# Altium PCB NURIP.PcbDoc (part 8 of 14) (continued)
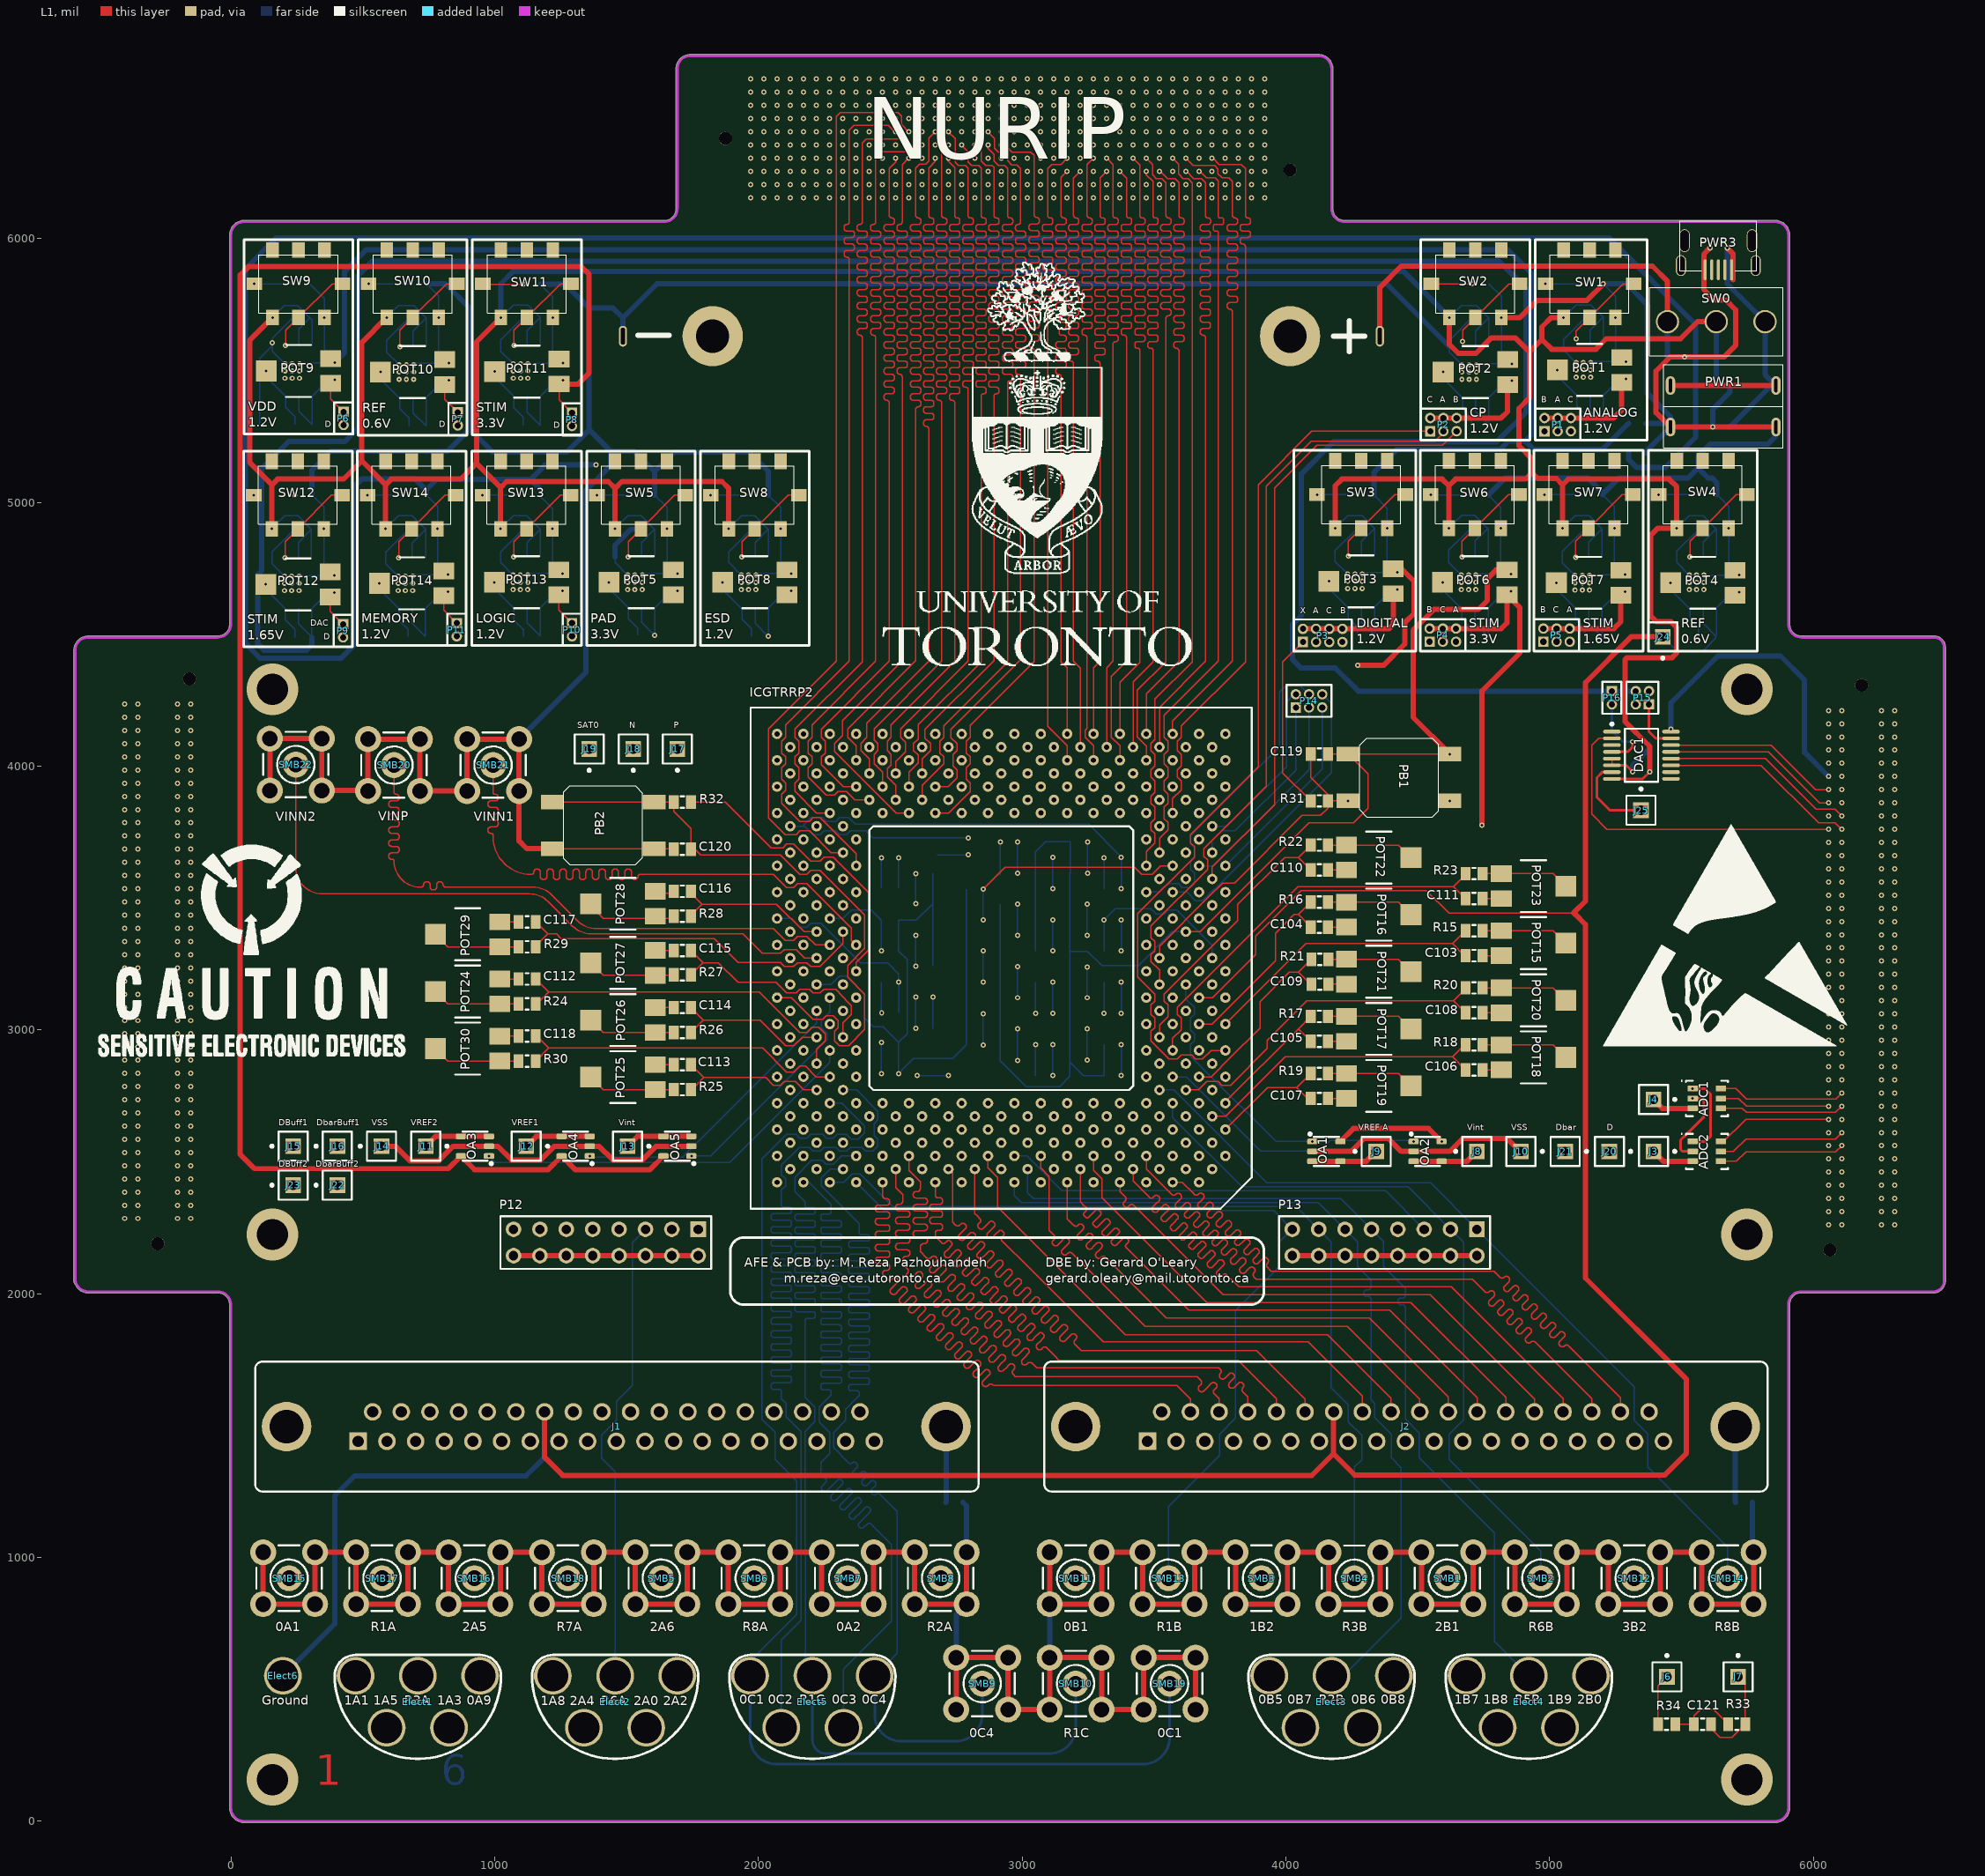
[diagram p0: L1 view]
## Nets (pads, with @x,y where several pads share a name; then routed paths per layer and width w, separated by ;. In a path a pad name is that pad's centre, name@x,y a point inside that pad or via, vN(x,y) a via of type N, cw(c..) or ccw(c..) an arc to the next point about the centre after c; other vN are vias at no path point) (continued)
EXT_PER_DIN(13): FMC1.H7 ICGTRRP2.AJ21 | length 3057.9
  L2 w5: v1(2270.24,6254.92) 2297.74,6227.42 2329.56,6227.42 2342.74,6214.24 2342.74,6200.6 2365.92,6177.42 2379.56,6177.42 2395.56,6161.42 2395.56,6090.55 2395.56,6088.06 ccw(c2405.41,6088.06) 2405.41,6078.21 cw(c2405.41,6068.33) 2415.29,6068.33 2415.29,6063.4 cw(c2405.41,6063.4) 2405.41,6053.52 2395.56,6053.52 2385.71,6053.52 ccw(c2385.71,6043.65) 2375.83,6043.65 2375.83,6038.71 ccw(c2385.71,6038.71) 2385.71,6028.84 2395.56,6028.84 2405.41,6028.84 cw(c2405.41,6018.96) 2415.29,6018.96 2415.29,6014.03 cw(c2405.41,6014.03) 2405.41,6004.15 2395.56,6004.15 2385.71,6004.15 ccw(c2385.71,5994.28) 2375.83,5994.28 2375.83,5989.34 ccw(c2385.71,5989.34) 2385.71,5979.47 2395.56,5979.47 2405.41,5979.47 cw(c2405.41,5969.59) 2415.29,5969.59 2415.29,5964.66 cw(c2405.41,5964.66) 2405.41,5954.78 2395.56,5954.78 2385.71,5954.78 ccw(c2385.71,5944.91) 2375.83,5944.91 2375.83,5939.97 ccw(c2385.71,5939.97) 2385.71,5930.1 2395.56,5930.1 2405.41,5930.1 cw(c2405.41,5920.22) 2415.29,5920.22 2415.29,5915.29 cw(c2405.41,5915.29) 2405.41,5905.41 2395.56,5905.41 2385.71,5905.41 ccw(c2385.71,5895.54) 2375.83,5895.54 2375.83,5890.6 ccw(c2385.71,5890.6) 2385.71,5880.73 2395.56,5880.73 2405.41,5880.73 cw(c2405.41,5870.85) 2415.29,5870.85 2415.29,5865.92 cw(c2405.41,5865.92) 2405.41,5856.04 ccw(c2405.41,5846.19) 2395.56,5846.19 2395.56,5750 2395.56,4362.31 2538.52,4219.35 2538.52,4099.91 2552.89,4085.54 2552.89,4058.87 2538.52,4044.5 2538.52,3999.91 2552.89,3985.54 2552.89,3958.87 2538.52,3944.5 2538.52,3908.87 2607.38,3840.02 2643.01,3840.02 2657.38,3854.39 2684.04,3854.39 2716.23,3822.2 ICGTRRP2.AJ21@2770.71,3822.2
EXT_PER_DIN(14): FMC1.H11 ICGTRRP2.AM22 | length 3067.7
  L2 w5: v1(2470.24,6254.92) 2488.42,6254.92 2510.92,6232.42 2535.3,6232.42 2545.28,6222.44 2545.28,6090.55 2545.28,6086.83 ccw(c2553.89,6086.83) 2553.89,6078.21 cw(c2553.89,6067.1) 2565,6067.1 2565,6064.63 cw(c2553.89,6064.63) 2553.89,6053.52 2545.28,6053.52 2536.82,6053.52 ccw(c2536.82,6042.42) 2525.71,6042.42 2525.71,6039.95 ccw(c2536.82,6039.95) 2536.82,6028.84 2545.28,6028.84 2553.74,6028.84 cw(c2553.74,6017.73) 2564.84,6017.73 2564.84,6015.26 cw(c2553.74,6015.26) 2553.74,6004.15 2545.28,6004.15 2536.82,6004.15 ccw(c2536.82,5993.05) 2525.71,5993.05 2525.71,5990.58 ccw(c2536.82,5990.58) 2536.82,5979.47 2545.28,5979.47 2553.74,5979.47 cw(c2553.74,5968.36) 2564.84,5968.36 2564.84,5965.89 cw(c2553.74,5965.89) 2553.74,5954.78 2545.28,5954.78 2536.82,5954.78 ccw(c2536.82,5943.68) 2525.71,5943.68 2525.71,5941.21 ccw(c2536.82,5941.21) 2536.82,5930.1 2545.28,5930.1 2553.74,5930.1 cw(c2553.74,5918.99) 2564.84,5918.99 2564.84,5916.52 cw(c2553.74,5916.52) 2553.74,5905.41 2545.28,5905.41 2536.82,5905.41 ccw(c2536.82,5894.31) 2525.71,5894.31 2525.71,5891.84 ccw(c2536.82,5891.84) 2536.82,5880.73 2545.28,5880.73 2553.74,5880.73 cw(c2553.74,5869.62) 2564.84,5869.62 2564.84,5867.15 cw(c2553.74,5867.15) 2553.74,5856.04 2545.28,5856.04 2536.82,5856.04 ccw(c2536.82,5844.94) 2525.71,5844.94 2525.71,5842.47 ccw(c2536.82,5842.47) 2536.82,5831.36 2545.28,5831.36 2553.74,5831.36 cw(c2553.74,5820.25) 2564.84,5820.25 2564.84,5817.78 cw(c2553.74,5817.78) 2553.74,5806.67 2545.28,5806.67 2536.82,5806.67 ccw(c2536.82,5795.57) 2525.71,5795.57 2525.71,5793.1 ccw(c2536.82,5793.1) 2536.82,5781.99 2545.28,5781.99 2553.74,5781.99 cw(c2553.74,5770.88) 2564.84,5770.88 2564.84,5768.41 cw(c2553.74,5768.41) 2553.74,5757.3 2545.28,5757.3 2536.82,5757.3 ccw(c2536.82,5746.2) 2525.71,5746.2 2525.71,5743.73 ccw(c2536.82,5743.73) 2536.82,5732.62 2545.28,5732.62 2553.74,5732.62 cw(c2553.74,5721.51) 2564.84,5721.51 2564.84,5719.04 cw(c2553.74,5719.04) 2553.74,5707.93 2545.28,5707.93 2536.82,5707.93 ccw(c2536.82,5696.83) 2525.71,5696.83 2525.71,5694.36 ccw(c2536.82,5694.36) 2536.82,5683.25 2545.28,5683.25 2553.74,5683.25 cw(c2553.74,5672.14) 2564.84,5672.14 2564.84,5669.67 cw(c2553.74,5669.67) 2553.74,5658.56 2545.28,5658.56 2536.82,5658.56 ccw(c2536.82,5647.46) 2525.71,5647.46 2525.71,5644.99 ccw(c2536.82,5644.99) 2536.82,5633.88 2545.28,5633.88 2553.74,5633.88 cw(c2553.74,5622.77) 2564.84,5622.77 2564.84,5620.3 cw(c2553.74,5620.3) 2553.74,5609.19 2545.28,5609.19 2536.82,5609.19 ccw(c2536.82,5598.09) 2525.71,5598.09 2525.71,5595.62 ccw(c2536.82,5595.62) 2536.82,5584.51 2545.28,5584.51 2553.74,5584.51 cw(c2553.74,5573.4) 2564.84,5573.4 2564.84,5570.93 cw(c2553.74,5570.93) 2553.74,5559.82 2545.28,5559.82 2536.82,5559.82 ccw(c2536.82,5548.72) 2525.71,5548.72 2525.71,5546.25 ccw(c2536.82,5546.25) 2536.82,5535.14 2536.66,5535.14 cw(c2536.66,5526.52) 2545.28,5526.52 2545.28,5429.13 2545.28,4379.92 2702.89,4222.3 2702.89,4108.87 2688.52,4094.5 2688.52,4058.87 2720.71,4026.69 ICGTRRP2.AM22@2720.71,3972.2
EXT_PER_DIN(15): FMC1.H8 ICGTRRP2.AK22 | length 3067.5
  L2 w5: v1(2320.24,6254.92) 2323.27,6254.92 2350.77,6227.42 2379.56,6227.42 2392.74,6214.24 2392.74,6200.6 2415.92,6177.42 2429.56,6177.42 2446.85,6160.13 2446.85,6090.55 2446.85,6088.06 ccw(c2456.7,6088.06) 2456.7,6078.21 cw(c2456.7,6068.33) 2466.58,6068.33 2466.58,6063.4 cw(c2456.7,6063.4) 2456.7,6053.52 2446.85,6053.52 2437.05,6053.52 ccw(c2437.05,6043.65) 2427.17,6043.65 2427.17,6038.71 ccw(c2437.05,6038.71) 2437.05,6028.84 2446.85,6028.84 2456.65,6028.84 cw(c2456.65,6018.96) 2466.53,6018.96 2466.53,6014.03 cw(c2456.65,6014.03) 2456.65,6004.15 2446.85,6004.15 2437.05,6004.15 ccw(c2437.05,5994.28) 2427.17,5994.28 2427.17,5989.34 ccw(c2437.05,5989.34) 2437.05,5979.47 2446.85,5979.47 2456.65,5979.47 cw(c2456.65,5969.59) 2466.53,5969.59 2466.53,5964.66 cw(c2456.65,5964.66) 2456.65,5954.78 2446.85,5954.78 2437.05,5954.78 ccw(c2437.05,5944.91) 2427.17,5944.91 2427.17,5939.97 ccw(c2437.05,5939.97) 2437.05,5930.1 2446.85,5930.1 2456.65,5930.1 cw(c2456.65,5920.22) 2466.53,5920.22 2466.53,5915.29 cw(c2456.65,5915.29) 2456.65,5905.41 2446.85,5905.41 2437.05,5905.41 ccw(c2437.05,5895.54) 2427.17,5895.54 2427.17,5890.6 ccw(c2437.05,5890.6) 2437.05,5880.73 2446.85,5880.73 2456.65,5880.73 cw(c2456.65,5870.85) 2466.53,5870.85 2466.53,5865.92 cw(c2456.65,5865.92) 2456.65,5856.04 2446.85,5856.04 2437.05,5856.04 ccw(c2437.05,5846.17) 2427.17,5846.17 2427.17,5841.23 ccw(c2437.05,5841.23) 2437.05,5831.36 2446.85,5831.36 2456.65,5831.36 cw(c2456.65,5821.48) 2466.53,5821.48 2466.53,5816.55 cw(c2456.65,5816.55) 2456.65,5806.67 2446.85,5806.67 2437.05,5806.67 ccw(c2437.05,5796.8) 2427.17,5796.8 2427.17,5791.86 ccw(c2437.05,5791.86) 2437.05,5781.99 2446.85,5781.99 2456.65,5781.99 cw(c2456.65,5772.11) 2466.53,5772.11 2466.53,5767.18 cw(c2456.65,5767.18) 2456.65,5757.3 2446.85,5757.3 2437.05,5757.3 ccw(c2437.05,5747.43) 2427.17,5747.43 2427.17,5742.49 ccw(c2437.05,5742.49) 2437.05,5732.62 ; 2437,5732.62 cw(c2437,5722.77) 2446.85,5722.77 2446.85,5557.09 2446.85,4395.67 2620.08,4222.44 2620.08,4117.09 2588.52,4085.54 2588.52,4058.87 2602.89,4044.5 2602.89,3999.91 2588.52,3985.54 2588.52,3952.81 2669.13,3872.2 ICGTRRP2.AK22@2720.71,3872.2
EXT_PER_DOUT(0): FMC1.G33 ICGTRRP2.AE7 | length 2845.5
  L1 w5: ICGTRRP2.AE7@3470.71,3622.2 3470.71,3676.69 3502.89,3708.87 3502.89,3744.5 3488.52,3758.87 3488.52,3785.54 3502.89,3799.91 3502.89,3844.5 3488.52,3858.87 3488.52,3885.54 3502.89,3899.91 3502.89,3944.5 3488.52,3958.87 3488.52,3985.54 3502.89,3999.91 3502.89,4044.5 3488.52,4058.87 3488.52,4085.54 3503.94,4100.95 3503.94,4253.94 3645.67,4395.67 3645.67,6211.31 3629.56,6227.42 3610.27,6227.42 3592.52,6245.17 3592.74,6245.38 3592.74,6282.42 v1(3570.24,6304.92)
EXT_PER_DOUT(1): FMC1.H35 ICGTRRP2.AF6 | length 2836.9
  L1 w5: ICGTRRP2.AF6@3520.71,3672.2 3520.71,3726.69 3552.89,3758.87 3552.89,3786.6 3538.52,3800.97 3538.52,3844.5 3552.89,3858.87 3552.89,3894.5 3538.52,3908.87 3538.52,3944.5 3552.89,3958.87 3552.89,3994.5 3538.52,4008.87 3538.52,4044.5 3552.89,4058.87 3552.89,4094.5 3538.52,4108.87 3538.52,4192.07 3744.09,4397.64 3744.09,5980.31 3744.09,6022.67 ccw(c3737.92,6022.67) 3737.92,6028.84 3731.31,6028.84 cw(c3731.31,6035.01) 3725.14,6035.01 3725.14,6047.35 cw(c3731.31,6047.35) 3731.31,6053.52 3744.09,6053.52 3757.65,6053.52 ccw(c3757.65,6059.69) 3763.82,6059.69 3763.82,6072.04 ccw(c3757.65,6072.04) 3757.65,6078.21 3750.27,6078.21 cw(c3750.27,6084.38) 3744.09,6084.38 3744.09,6090.55 3744.09,6218.5 3732.28,6230.31 3697.88,6230.31 3673.27,6254.92 v1(3670.24,6254.92)
EXT_PER_DOUT(2): FMC1.G36 ICGTRRP2.AJ5 | length 2839.5
  L1 w5: ICGTRRP2.AJ5@3570.71,3822.2 3570.71,3876.69 3602.89,3908.87 3602.89,3944.5 3588.52,3958.87 3588.52,3985.54 3602.89,3999.91 3602.89,4044.5 3588.52,4058.87 3588.52,4094.5 3602.89,4108.87 3602.89,4152.11 3846.46,4395.67 3846.46,5716.54 3846.46,5969.62 ccw(c3836.6,5969.62) 3836.6,5979.47 cw(c3836.6,5989.34) 3826.73,5989.34 3826.73,5994.28 cw(c3836.6,5994.28) 3836.6,6004.15 3846.46,6004.15 3856.31,6004.15 ccw(c3856.31,6014.03) 3866.18,6014.03 3866.18,6018.96 ccw(c3856.31,6018.96) 3856.31,6028.84 3846.46,6028.84 3836.6,6028.84 cw(c3836.6,6038.71) 3826.73,6038.71 3826.73,6043.65 cw(c3836.6,6043.65) 3836.6,6053.52 3846.46,6053.52 3856.31,6053.52 ccw(c3856.31,6063.4) 3866.18,6063.4 3866.18,6068.33 ccw(c3856.31,6068.33) 3856.31,6078.21 cw(c3856.31,6088.06) 3846.46,6088.06 3846.46,6090.55 3846.46,6265.75 3830.71,6281.5 3746.69,6281.5 3723.27,6304.92 v1(3720.24,6304.92)
EXT_PER_DOUT(3): FMC1.G31 ICGTRRP2.AN7 | length 2841
  L1 w5: v1(3470.24,6304.92) 3494.09,6281.06 3494.09,6242.13 3508.8,6227.42 3529.56,6227.42 3545.28,6211.7 3545.28,6090.55 3545.28,6088.06 ccw(c3555.13,6088.06) 3555.13,6078.21 cw(c3555.13,6068.33) 3565,6068.33 3565,6063.4 cw(c3555.13,6063.4) 3555.13,6053.52 3545.28,6053.52 3535.42,6053.52 ccw(c3535.42,6043.65) 3525.55,6043.65 3525.55,6038.71 ccw(c3535.42,6038.71) 3535.42,6028.84 3545.28,6028.84 3555.13,6028.84 cw(c3555.13,6018.96) 3565,6018.96 3565,6014.03 cw(c3555.13,6014.03) 3555.13,6004.15 3545.28,6004.15 3535.42,6004.15 ccw(c3535.42,5994.28) 3525.55,5994.28 3525.55,5989.34 ccw(c3535.42,5989.34) 3535.42,5979.47 3545.28,5979.47 3555.13,5979.47 cw(c3555.13,5969.59) 3565,5969.59 3565,5964.66 cw(c3555.13,5964.66) 3555.13,5954.78 3545.28,5954.78 3535.42,5954.78 ccw(c3535.42,5944.91) 3525.55,5944.91 3525.55,5939.97 ccw(c3535.42,5939.97) 3535.42,5930.1 3545.28,5930.1 3555.13,5930.1 cw(c3555.13,5920.22) 3565,5920.22 3565,5915.29 cw(c3555.13,5915.29) 3555.13,5905.41 3545.28,5905.41 3535.42,5905.41 ccw(c3535.42,5895.54) 3525.55,5895.54 3525.55,5890.6 ccw(c3535.42,5890.6) 3535.42,5880.73 3545.28,5880.73 3555.13,5880.73 cw(c3555.13,5870.85) 3565,5870.85 3565,5865.92 cw(c3555.13,5865.92) 3555.13,5856.04 3545.28,5856.04 3535.42,5856.04 ccw(c3535.42,5846.17) 3525.55,5846.17 3525.55,5841.23 ccw(c3535.42,5841.23) 3535.42,5831.36 3545.28,5831.36 3555.13,5831.36 cw(c3555.13,5821.48) 3565,5821.48 3565,5816.55 cw(c3555.13,5816.55) 3555.13,5806.67 3545.28,5806.67 3535.42,5806.67 ccw(c3535.42,5796.8) 3525.55,5796.8 3525.55,5791.86 ccw(c3535.42,5791.86) 3535.42,5781.99 3545.28,5781.99 3555.13,5781.99 cw(c3555.13,5772.11) 3565,5772.11 3565,5767.18 cw(c3555.13,5767.18) 3555.13,5757.3 3545.28,5757.3 3535.42,5757.3 ccw(c3535.42,5747.43) 3525.55,5747.43 3525.55,5742.49 ccw(c3535.42,5742.49) 3535.42,5732.62 3545.28,5732.62 3555.13,5732.62 cw(c3555.13,5722.74) 3565,5722.74 3565,5717.81 cw(c3555.13,5717.81) 3555.13,5707.93 ccw(c3555.13,5698.08) 3545.28,5698.08 3545.28,5531.5 3545.28,4395.67 3437.01,4287.4 3437.01,4110.24 3470.71,4076.54 ICGTRRP2.AN7@3470.71,4022.2
EXT_PER_DOUT(4): FMC1.H34 ICGTRRP2.AP6 | length 2846
  L1 w5: ICGTRRP2.AP6@3520.71,4072.2 3520.71,4223.46 3694.88,4397.64 3694.88,5470.47 3694.88,5624.03 ccw(c3685.03,5624.03) 3685.03,5633.88 3685.25,5633.88 cw(c3685.27,5643.75) 3675.39,5643.75 3675.39,5648.69 cw(c3685.27,5648.69) 3685.27,5658.56 3694.88,5658.56 3704.5,5658.56 ccw(c3704.5,5668.44) 3714.37,5668.44 3714.37,5673.37 ccw(c3704.5,5673.37) 3704.5,5683.25 3694.88,5683.25 3685.27,5683.25 cw(c3685.27,5693.12) 3675.39,5693.12 3675.39,5698.06 cw(c3685.27,5698.06) 3685.27,5707.93 3694.88,5707.93 3704.5,5707.93 ccw(c3704.5,5717.81) 3714.37,5717.81 3714.37,5722.74 ccw(c3704.5,5722.74) 3704.5,5732.62 3694.88,5732.62 3685.27,5732.62 cw(c3685.27,5742.49) 3675.39,5742.49 3675.39,5747.43 cw(c3685.27,5747.43) 3685.27,5757.3 3694.88,5757.3 3704.5,5757.3 ccw(c3704.5,5767.18) 3714.37,5767.18 3714.37,5772.11 ccw(c3704.5,5772.11) 3704.5,5781.99 3694.88,5781.99 3685.27,5781.99 cw(c3685.27,5791.86) 3675.39,5791.86 3675.39,5796.8 cw(c3685.27,5796.8) 3685.27,5806.67 3694.88,5806.67 3704.5,5806.67 ccw(c3704.5,5816.55) 3714.37,5816.55 3714.37,5821.48 ccw(c3704.5,5821.48) 3704.5,5831.36 3694.88,5831.36 3685.27,5831.36 cw(c3685.27,5841.23) 3675.39,5841.23 3675.39,5846.17 cw(c3685.27,5846.17) 3685.27,5856.04 3694.88,5856.04 3704.5,5856.04 ccw(c3704.5,5865.92) 3714.37,5865.92 3714.37,5870.85 ccw(c3704.5,5870.85) 3704.5,5880.73 3694.88,5880.73 3685.27,5880.73 cw(c3685.27,5890.6) 3675.39,5890.6 3675.39,5895.54 cw(c3685.27,5895.54) 3685.27,5905.41 3694.88,5905.41 3704.5,5905.41 ccw(c3704.5,5915.29) 3714.37,5915.29 3714.37,5920.22 ccw(c3704.5,5920.22) 3704.5,5930.1 3694.88,5930.1 3685.27,5930.1 cw(c3685.27,5939.97) 3675.39,5939.97 3675.39,5944.91 cw(c3685.27,5944.91) 3685.27,5954.78 3694.88,5954.78 3704.5,5954.78 ccw(c3704.5,5964.66) 3714.37,5964.66 3714.37,5969.59 ccw(c3704.5,5969.59) 3704.5,5979.47 3694.88,5979.47 3685.27,5979.47 cw(c3685.27,5989.34) 3675.39,5989.34 3675.39,5994.28 cw(c3685.27,5994.28) 3685.27,6004.15 3694.88,6004.15 3704.5,6004.15 ccw(c3704.5,6014.03) 3714.37,6014.03 3714.37,6018.96 ccw(c3704.5,6018.96) 3704.5,6028.84 3694.88,6028.84 3685.27,6028.84 cw(c3685.27,6038.71) 3675.39,6038.71 3675.39,6043.65 cw(c3685.27,6043.65) 3685.27,6053.52 3694.88,6053.52 3704.73,6053.52 ccw(c3704.73,6063.4) 3714.61,6063.4 3714.61,6068.33 ccw(c3704.73,6068.33) 3704.73,6078.21 cw(c3704.73,6088.06) 3694.88,6088.06 3694.88,6090.55 3694.88,6212.1 3679.56,6227.42 3650.77,6227.42 3623.27,6254.92 v1(3620.24,6254.92)
EXT_PER_DOUT(5): FMC1.G34 ICGTRRP2.AR5 | length 2838
  L1 w5: ICGTRRP2.AR5@3570.71,4122.2 3570.71,4171.1 3797.24,4397.64 3797.24,5500 3797.24,5722.77 ccw(c3787.39,5722.77) 3787.39,5732.62 cw(c3787.39,5742.49) 3777.52,5742.49 3777.52,5747.43 cw(c3787.39,5747.43) 3787.39,5757.3 3797.24,5757.3 3807.1,5757.3 ccw(c3807.1,5767.18) 3816.97,5767.18 3816.97,5772.11 ccw(c3807.1,5772.11) 3807.1,5781.99 3797.24,5781.99 3787.39,5781.99 cw(c3787.39,5791.86) 3777.52,5791.86 3777.52,5796.8 cw(c3787.39,5796.8) 3787.39,5806.67 3797.24,5806.67 3807.1,5806.67 ccw(c3807.1,5816.55) 3816.97,5816.55 3816.97,5821.48 ccw(c3807.1,5821.48) 3807.1,5831.36 3797.24,5831.36 3787.39,5831.36 cw(c3787.39,5841.23) 3777.52,5841.23 3777.52,5846.17 cw(c3787.39,5846.17) 3787.39,5856.04 3797.24,5856.04 3807.1,5856.04 ccw(c3807.1,5865.92) 3816.97,5865.92 3816.97,5870.85 ccw(c3807.1,5870.85) 3807.1,5880.73 3797.24,5880.73 3787.39,5880.73 cw(c3787.39,5890.6) 3777.52,5890.6 3777.52,5895.54 cw(c3787.39,5895.54) 3787.39,5905.41 3797.24,5905.41 3807.1,5905.41 ccw(c3807.1,5915.29) 3816.97,5915.29 3816.97,5920.22 ccw(c3807.1,5920.22) 3807.1,5930.1 3797.24,5930.1 3787.39,5930.1 cw(c3787.39,5939.97) 3777.52,5939.97 3777.52,5944.91 cw(c3787.39,5944.91) 3787.39,5954.78 3797.24,5954.78 3807.1,5954.78 ccw(c3807.1,5964.66) 3816.97,5964.66 3816.97,5969.59 ccw(c3807.1,5969.59) 3807.1,5979.47 3797.24,5979.47 3787.39,5979.47 cw(c3787.39,5989.34) 3777.52,5989.34 3777.52,5994.28 cw(c3787.39,5994.28) 3787.39,6004.15 3797.24,6004.15 3807.1,6004.15 ccw(c3807.1,6014.03) 3816.97,6014.03 3816.97,6018.96 ccw(c3807.1,6018.96) 3807.1,6028.84 3797.24,6028.84 3787.39,6028.84 cw(c3787.39,6038.71) 3777.52,6038.71 3777.52,6043.65 cw(c3787.39,6043.65) 3787.39,6053.52 3797.24,6053.52 3807.1,6053.52 ccw(c3807.1,6063.4) 3816.97,6063.4 3816.97,6068.33 ccw(c3807.1,6068.33) 3807.1,6078.21 cw(c3807.1,6088.06) 3797.24,6088.06 3797.24,6090.55 3797.24,6216.54 3783.46,6230.31 3757.87,6230.31 3742.74,6245.45 3742.74,6264.24 3729.56,6277.42 3647.74,6277.42 v1(3620.24,6304.92)
EXT_PER_DOUT(6): FMC1.H32 ICGTRRP2.AR7 | length 2844.5
  L1 w5: ICGTRRP2.AR7@3470.71,4122.2 3470.71,4273.86 3594.49,4397.64 3594.49,5468.5 3594.49,5574.66 ccw(c3584.64,5574.66) 3584.64,5584.51 cw(c3584.64,5594.38) 3574.76,5594.38 3574.76,5599.32 cw(c3584.64,5599.32) 3584.64,5609.19 3594.49,5609.19 3604.34,5609.19 ccw(c3604.34,5619.07) 3614.22,5619.07 3614.22,5624 ccw(c3604.34,5624) 3604.34,5633.88 3594.49,5633.88 3584.64,5633.88 cw(c3584.64,5643.75) 3574.76,5643.75 3574.76,5648.69 cw(c3584.64,5648.69) 3584.64,5658.56 3594.49,5658.56 3604.34,5658.56 ccw(c3604.34,5668.44) 3614.22,5668.44 3614.22,5673.37 ccw(c3604.34,5673.37) 3604.34,5683.25 3594.49,5683.25 3584.64,5683.25 cw(c3584.64,5693.12) 3574.76,5693.12 3574.76,5698.06 cw(c3584.64,5698.06) 3584.64,5707.93 3594.49,5707.93 3604.34,5707.93 ccw(c3604.34,5717.81) 3614.22,5717.81 3614.22,5722.74 ccw(c3604.34,5722.74) 3604.34,5732.62 3594.49,5732.62 3584.64,5732.62 cw(c3584.64,5742.49) 3574.76,5742.49 3574.76,5747.43 cw(c3584.64,5747.43) 3584.64,5757.3 3594.49,5757.3 3604.34,5757.3 ccw(c3604.34,5767.18) 3614.22,5767.18 3614.22,5772.11 ccw(c3604.34,5772.11) 3604.34,5781.99 3594.49,5781.99 3584.64,5781.99 cw(c3584.64,5791.86) 3574.76,5791.86 3574.76,5796.8 cw(c3584.64,5796.8) 3584.64,5806.67 3594.49,5806.67 3604.34,5806.67 ccw(c3604.34,5816.55) 3614.22,5816.55 3614.22,5821.48 ccw(c3604.34,5821.48) 3604.34,5831.36 3594.49,5831.36 3584.64,5831.36 cw(c3584.64,5841.23) 3574.76,5841.23 3574.76,5846.17 cw(c3584.64,5846.17) 3584.64,5856.04 3594.49,5856.04 3604.34,5856.04 ccw(c3604.34,5865.92) 3614.22,5865.92 3614.22,5870.85 ccw(c3604.34,5870.85) 3604.34,5880.73 3594.49,5880.73 3584.64,5880.73 cw(c3584.64,5890.6) 3574.76,5890.6 3574.76,5895.54 cw(c3584.64,5895.54) 3584.64,5905.41 3594.49,5905.41 3604.34,5905.41 ccw(c3604.34,5915.29) 3614.22,5915.29 3614.22,5920.22 ccw(c3604.34,5920.22) 3604.34,5930.1 3594.49,5930.1 3584.64,5930.1 cw(c3584.64,5939.97) 3574.76,5939.97 3574.76,5944.91 cw(c3584.64,5944.91) 3584.64,5954.78 3594.49,5954.78 3604.34,5954.78 ccw(c3604.34,5964.66) 3614.22,5964.66 3614.22,5969.59 ccw(c3604.34,5969.59) 3604.34,5979.47 3594.49,5979.47 3584.64,5979.47 cw(c3584.64,5989.34) 3574.76,5989.34 3574.76,5994.28 cw(c3584.64,5994.28) 3584.64,6004.15 3594.49,6004.15 3604.34,6004.15 ccw(c3604.34,6014.03) 3614.22,6014.03 3614.22,6018.96 ccw(c3604.34,6018.96) 3604.34,6028.84 3594.49,6028.84 3584.64,6028.84 cw(c3584.64,6038.71) 3574.76,6038.71 3574.76,6043.65 cw(c3584.64,6043.65) 3584.64,6053.52 3594.49,6053.52 3604.34,6053.52 ccw(c3604.34,6063.4) 3614.22,6063.4 3614.22,6068.33 ccw(c3604.34,6068.33) 3604.34,6078.21 cw(c3604.34,6088.06) 3594.49,6088.06 3594.49,6090.55 3594.49,6212.49 3579.56,6227.42 3550.77,6227.42 3523.27,6254.92 v1(3520.24,6254.92)
EXT_PER_DOUT(7): FMC1.H29 ICGTRRP2.AN9 | length 2845.5
  L1 w5: v1(3370.24,6254.92) 3395.67,6229.49 3395.67,6090.55 3395.67,6086.85 ccw(c3404.31,6086.85) 3404.31,6078.21 3406.65,6078.21 cw(c3406.65,6069.57) 3415.29,6069.57 3415.29,6062.16 cw(c3406.65,6062.16) 3406.65,6053.52 3395.67,6053.52 3384.69,6053.52 ccw(c3384.69,6044.88) 3376.05,6044.88 3376.05,6037.48 ccw(c3384.69,6037.48) 3384.69,6028.84 3395.67,6028.84 3406.65,6028.84 cw(c3406.65,6020.2) 3415.29,6020.2 3415.29,6012.79 cw(c3406.65,6012.79) 3406.65,6004.15 3395.67,6004.15 3384.69,6004.15 ccw(c3384.69,5995.51) 3376.05,5995.51 3376.05,5988.11 ccw(c3384.69,5988.11) 3384.69,5979.47 3395.67,5979.47 3406.65,5979.47 cw(c3406.65,5970.83) 3415.29,5970.83 3415.29,5963.42 cw(c3406.65,5963.42) 3406.65,5954.78 3395.67,5954.78 3384.69,5954.78 ccw(c3384.69,5946.14) 3376.05,5946.14 3376.05,5938.74 ccw(c3384.69,5938.74) 3384.69,5930.1 3395.67,5930.1 3406.65,5930.1 cw(c3406.65,5921.46) 3415.29,5921.46 3415.29,5914.05 cw(c3406.65,5914.05) 3406.65,5905.41 3395.67,5905.41 3384.69,5905.41 ccw(c3384.69,5896.77) 3376.05,5896.77 3376.05,5889.37 ccw(c3384.69,5889.37) 3384.69,5880.73 3395.67,5880.73 3406.65,5880.73 cw(c3406.65,5872.09) 3415.29,5872.09 3415.29,5864.68 cw(c3406.65,5864.68) 3406.65,5856.04 3395.67,5856.04 3384.69,5856.04 ccw(c3384.69,5847.4) 3376.05,5847.4 3376.05,5840 ccw(c3384.69,5840) 3384.69,5831.36 3395.67,5831.36 3406.65,5831.36 cw(c3406.65,5822.72) 3415.29,5822.72 3415.29,5815.31 cw(c3406.65,5815.31) 3406.65,5806.67 3395.67,5806.67 3384.69,5806.67 ccw(c3384.69,5798.03) 3376.05,5798.03 3376.05,5790.63 ccw(c3384.69,5790.63) 3384.69,5781.99 3395.67,5781.99 3406.65,5781.99 cw(c3406.65,5773.35) 3415.29,5773.35 3415.29,5765.94 cw(c3406.65,5765.94) 3406.65,5757.3 3395.67,5757.3 3384.69,5757.3 ccw(c3384.69,5748.66) 3376.05,5748.66 3376.05,5741.26 ccw(c3384.69,5741.26) 3384.69,5732.62 3395.67,5732.62 3406.65,5732.62 cw(c3406.65,5723.98) 3415.29,5723.98 3415.29,5716.57 cw(c3406.65,5716.57) 3406.65,5707.93 3395.67,5707.93 3384.69,5707.93 ccw(c3384.69,5699.29) 3376.05,5699.29 3376.05,5691.89 ccw(c3384.69,5691.89) 3384.69,5683.25 3395.67,5683.25 3406.65,5683.25 cw(c3406.65,5674.61) 3415.29,5674.61 3415.29,5667.2 cw(c3406.65,5667.2) 3406.65,5658.56 3395.67,5658.56 3384.69,5658.56 ccw(c3384.69,5649.92) 3376.05,5649.92 3376.05,5642.52 ccw(c3384.69,5642.52) 3384.69,5633.88 3387.03,5633.88 cw(c3387.03,5625.24) 3395.67,5625.24 3395.67,5472.44 3395.67,4397.64 3338.52,4340.49 3338.52,4108.87 3370.71,4076.69 ICGTRRP2.AN9@3370.71,4022.2
EXT_PER_DOUT(8): FMC1.H31 ICGTRRP2.AP8 | length 2845.5
  L1 w5: ICGTRRP2.AP8@3420.71,4072.2 3420.71,4318.9 3496.06,4394.25 3496.06,5476.38 3496.06,5575.87 ccw(c3487.42,5575.87) 3487.42,5584.51 3485.29,5584.51 cw(c3485.29,5593.15) 3476.65,5593.15 3476.65,5600.55 cw(c3485.29,5600.55) 3485.29,5609.19 3496.06,5609.19 3506.84,5609.19 ccw(c3506.84,5617.83) 3515.48,5617.83 3515.48,5625.24 ccw(c3506.84,5625.24) 3506.84,5633.88 3496.06,5633.88 3485.29,5633.88 cw(c3485.29,5642.52) 3476.65,5642.52 3476.65,5649.92 cw(c3485.29,5649.92) 3485.29,5658.56 3496.06,5658.56 3506.84,5658.56 ccw(c3506.84,5667.2) 3515.48,5667.2 3515.48,5674.61 ccw(c3506.84,5674.61) 3506.84,5683.25 3496.06,5683.25 3485.29,5683.25 cw(c3485.29,5691.89) 3476.65,5691.89 3476.65,5699.29 cw(c3485.29,5699.29) 3485.29,5707.93 3496.06,5707.93 3506.84,5707.93 ccw(c3506.84,5716.57) 3515.48,5716.57 3515.48,5723.98 ccw(c3506.84,5723.98) 3506.84,5732.62 3496.06,5732.62 3485.29,5732.62 cw(c3485.29,5741.26) 3476.65,5741.26 3476.65,5748.66 cw(c3485.29,5748.66) 3485.29,5757.3 3496.06,5757.3 3506.84,5757.3 ccw(c3506.84,5765.94) 3515.48,5765.94 3515.48,5773.35 ccw(c3506.84,5773.35) 3506.84,5781.99 3496.06,5781.99 3485.29,5781.99 cw(c3485.29,5790.63) 3476.65,5790.63 3476.65,5798.03 cw(c3485.29,5798.03) 3485.29,5806.67 3496.06,5806.67 3506.84,5806.67 ccw(c3506.84,5815.31) 3515.48,5815.31 3515.48,5822.72 ccw(c3506.84,5822.72) 3506.84,5831.36 3496.06,5831.36 3485.29,5831.36 cw(c3485.29,5840) 3476.65,5840 3476.65,5847.4 cw(c3485.29,5847.4) 3485.29,5856.04 3496.06,5856.04 3506.84,5856.04 ccw(c3506.84,5864.68) 3515.48,5864.68 3515.48,5872.09 ccw(c3506.84,5872.09) 3506.84,5880.73 3496.06,5880.73 3485.29,5880.73 cw(c3485.29,5889.37) 3476.65,5889.37 3476.65,5896.77 cw(c3485.29,5896.77) 3485.29,5905.41 3496.06,5905.41 3506.84,5905.41 ccw(c3506.84,5914.05) 3515.48,5914.05 3515.48,5921.46 ccw(c3506.84,5921.46) 3506.84,5930.1 3496.06,5930.1 3485.29,5930.1 cw(c3485.29,5938.74) 3476.65,5938.74 3476.65,5946.14 cw(c3485.29,5946.14) 3485.29,5954.78 3496.06,5954.78 3506.84,5954.78 ccw(c3506.84,5963.42) 3515.48,5963.42 3515.48,5970.83 ccw(c3506.84,5970.83) 3506.84,5979.47 3496.06,5979.47 3485.29,5979.47 cw(c3485.29,5988.11) 3476.65,5988.11 3476.65,5995.51 cw(c3485.29,5995.51) 3485.29,6004.15 3496.06,6004.15 3506.84,6004.15 ccw(c3506.84,6012.79) 3515.48,6012.79 3515.48,6020.2 ccw(c3506.84,6020.2) 3506.84,6028.84 3496.06,6028.84 3485.29,6028.84 cw(c3485.29,6037.48) 3476.65,6037.48 3476.65,6044.88 cw(c3485.29,6044.88) 3485.29,6053.52 3496.06,6053.52 3506.84,6053.52 ccw(c3506.84,6062.16) 3515.48,6062.16 3515.48,6069.57 ccw(c3506.84,6069.57) 3506.84,6078.21 3504.7,6078.21 cw(c3504.7,6086.85) 3496.06,6086.85 3496.06,6090.55 3496.06,6216.54 3470.24,6242.36 v1(3470.24,6254.92)
EXT_PER_DOUT(9): FMC1.G30 ICGTRRP2.AR9 | length 2845.5
  L1 w5: ICGTRRP2.AR9@3370.71,4122.2 3370.71,4317.56 3446.85,4393.7 3446.85,5405.51 3446.85,5575.87 ccw(c3438.21,5575.87) 3438.21,5584.51 3436.09,5584.51 cw(c3436.09,5593.15) 3427.45,5593.15 3427.45,5600.55 cw(c3436.09,5600.55) 3436.09,5609.19 3446.85,5609.19 3457.61,5609.19 ccw(c3457.61,5617.83) 3466.25,5617.83 3466.25,5625.24 ccw(c3457.61,5625.24) 3457.61,5633.88 3446.85,5633.88 3436.09,5633.88 cw(c3436.09,5642.52) 3427.45,5642.52 3427.45,5649.92 cw(c3436.09,5649.92) 3436.09,5658.56 3446.85,5658.56 3457.61,5658.56 ccw(c3457.61,5667.2) 3466.25,5667.2 3466.25,5674.61 ccw(c3457.61,5674.61) 3457.61,5683.25 3446.85,5683.25 3436.09,5683.25 cw(c3436.09,5691.89) 3427.45,5691.89 3427.45,5699.29 cw(c3436.09,5699.29) 3436.09,5707.93 3446.85,5707.93 3457.61,5707.93 ccw(c3457.61,5716.57) 3466.25,5716.57 3466.25,5723.98 ccw(c3457.61,5723.98) 3457.61,5732.62 3446.85,5732.62 3436.09,5732.62 cw(c3436.09,5741.26) 3427.45,5741.26 3427.45,5748.66 cw(c3436.09,5748.66) 3436.09,5757.3 3446.85,5757.3 3457.61,5757.3 ccw(c3457.61,5765.94) 3466.25,5765.94 3466.25,5773.35 ccw(c3457.61,5773.35) 3457.61,5781.99 3446.85,5781.99 3436.09,5781.99 cw(c3436.09,5790.63) 3427.45,5790.63 3427.45,5798.03 cw(c3436.09,5798.03) 3436.09,5806.67 3446.85,5806.67 3457.61,5806.67 ccw(c3457.61,5815.31) 3466.25,5815.31 3466.25,5822.72 ccw(c3457.61,5822.72) 3457.61,5831.36 3446.85,5831.36 3436.09,5831.36 cw(c3436.09,5840) 3427.45,5840 3427.45,5847.4 cw(c3436.09,5847.4) 3436.09,5856.04 3446.85,5856.04 3457.61,5856.04 ccw(c3457.61,5864.68) 3466.25,5864.68 3466.25,5872.09 ccw(c3457.61,5872.09) 3457.61,5880.73 3446.85,5880.73 3436.09,5880.73 cw(c3436.09,5889.37) 3427.45,5889.37 3427.45,5896.77 cw(c3436.09,5896.77) 3436.09,5905.41 3446.85,5905.41 3457.61,5905.41 ccw(c3457.61,5914.05) 3466.25,5914.05 3466.25,5921.46 ccw(c3457.61,5921.46) 3457.61,5930.1 3446.85,5930.1 3436.09,5930.1 cw(c3436.09,5938.74) 3427.45,5938.74 3427.45,5946.14 cw(c3436.09,5946.14) 3436.09,5954.78 3446.85,5954.78 3457.61,5954.78 ccw(c3457.61,5963.42) 3466.25,5963.42 3466.25,5970.83 ccw(c3457.61,5970.83) 3457.61,5979.47 3446.85,5979.47 3436.09,5979.47 cw(c3436.09,5988.11) 3427.45,5988.11 3427.45,5995.51 cw(c3436.09,5995.51) 3436.09,6004.15 3446.85,6004.15 3457.61,6004.15 ccw(c3457.61,6012.79) 3466.25,6012.79 3466.25,6020.2 ccw(c3457.61,6020.2) 3457.61,6028.84 3446.85,6028.84 3436.09,6028.84 cw(c3436.09,6037.48) 3427.45,6037.48 3427.45,6044.88 cw(c3436.09,6044.88) 3436.09,6053.52 3446.85,6053.52 3457.61,6053.52 ccw(c3457.61,6062.16) 3466.25,6062.16 3466.25,6069.57 ccw(c3457.61,6069.57) 3457.61,6078.21 3455.49,6078.21 cw(c3455.49,6086.85) 3446.85,6086.85 3446.85,6090.55 3446.85,6278.31 v1(3420.24,6304.92)